# Altium PCB Evaluation Board.PcbDoc (part 9 of 22)
Units mm, origin at the board's own origin, x right, y up, seen from the top; angles counter-clockwise.
Board outline 200 x 200 mm, 4 copper layers (Top Layer, GND, Power, Bottom Layer), stack 1.56 mm thick; 639 components, 758 nets, 3043 pads, 1306 vias.
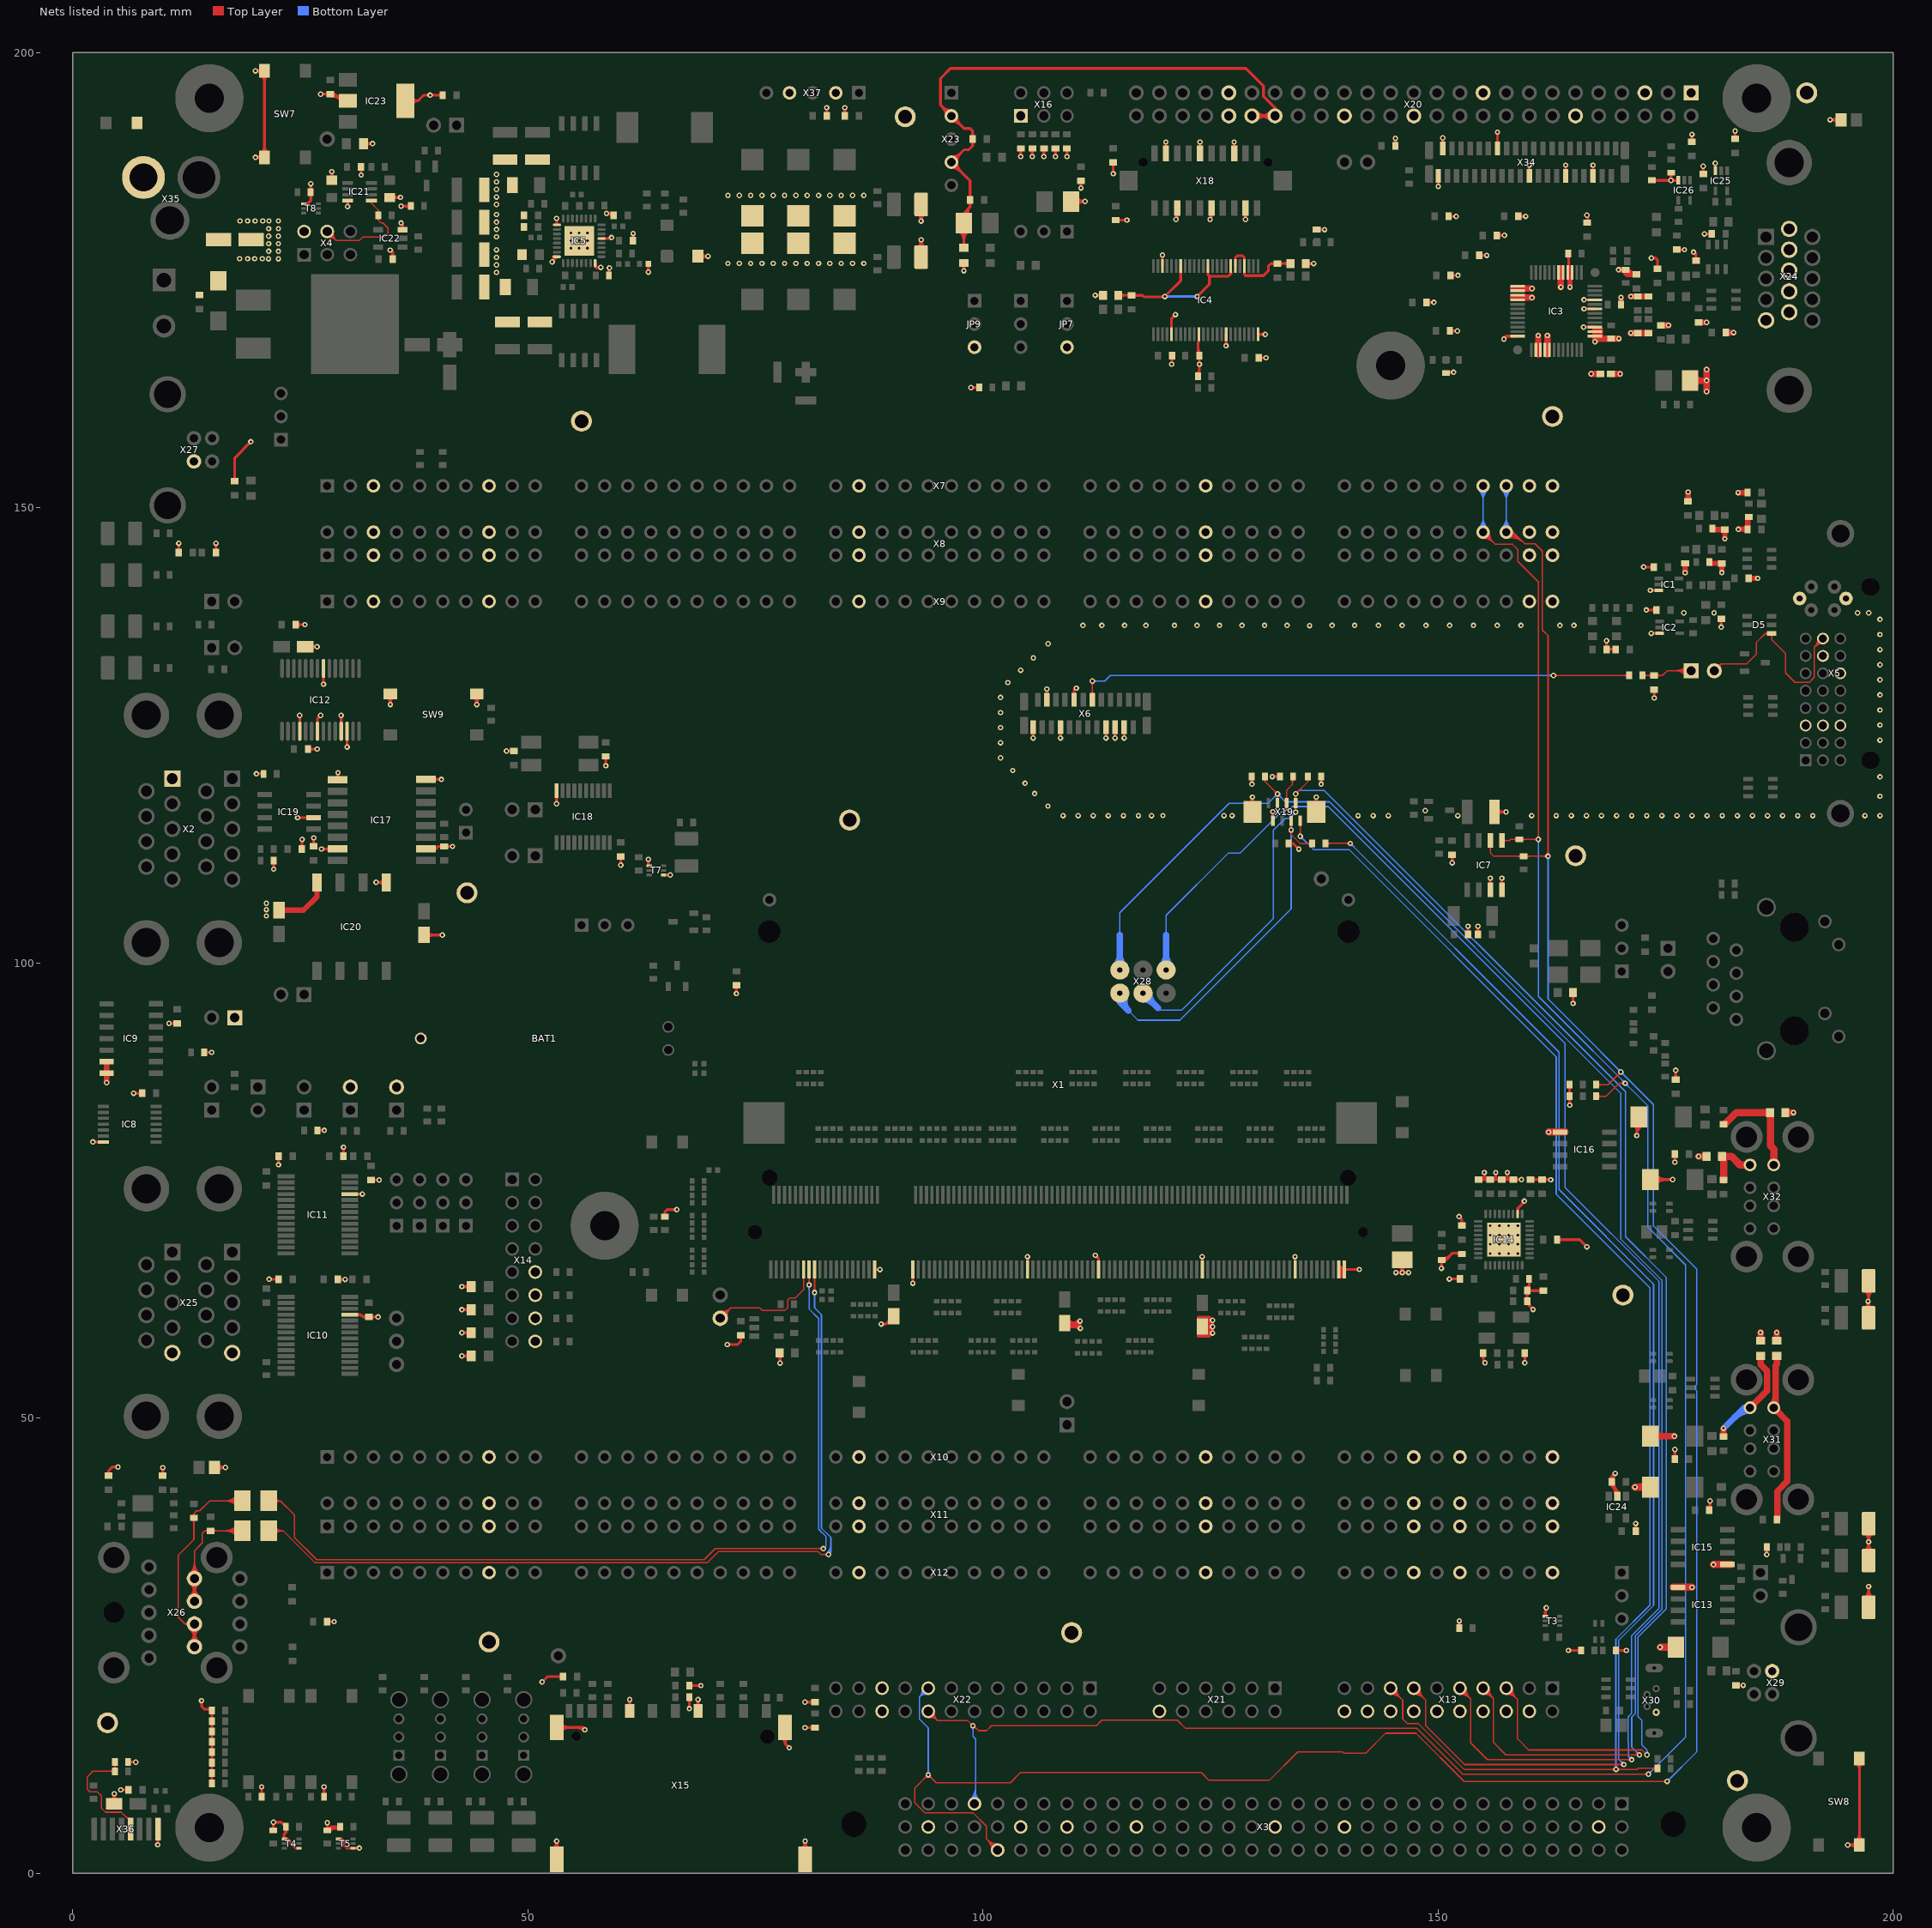
[diagram p11: the nets of this part, all layers, seen from the top]

## Via types
v1: diameter 0.6, hole 0.3, Top Layer to Bottom Layer, 1222 vias
v2: diameter 0.6, hole 0.3, Top Layer to Bottom Layer, tented both sides, 84 vias

## Nets (pads, with @x,y where several pads share a name; then routed paths per layer and width w, separated by ;. In a path a pad name is that pad's centre, name@x,y a point inside that pad or via, vN(x,y) a via of type N, cw(c..) or ccw(c..) an arc to the next point about the centre after c; other vN are vias at no path point) (continued)
GND: (continued)
  Top Layer w0.3: v1(176,46.55) 176.009,46.541 C117.1@176.009,45.466 ; v1(176,78.1) 176.009,78.109 C124.1@176.009,78.994 ; 176.009,46.21 cw(c176.34,46.21) v1@176.106,46.444 ; C128.1@176.098,87.186 v1@176.098,88.2 ; 176.098,87.844 cw(c176.455,87.844) v1@176.203,88.096 ; 176.183,185.95 ccw(c176.183,186.19) IC26.3@176.353,186.02 ; C182.2@176.225,178.35 v1(177.059,178.35) ; IC26.3@176.375,185.95 v1(175.575,185.95) ; C182.2@176.441,178.209 cw(c176.783,177.867) 176.783,178.35 cw(c176.783,178.833) C182.2@176.441,178.491 ; C41.1@177.742,190.325 ccw(c177.4,190.667) 177.883,190.667 ccw(c178.366,190.667) C41.1@178.024,190.325 ; C41.1@177.883,190.184 v1@177.883,191.011 ; v1@178.05,177.925 cw(c178.05,177.563) 178.306,177.819 cw(c178.562,178.075) v1@178.2,178.075 ; v1(178.05,178.075) 178.316,177.809 C189.2@178.316,177.126 ; v1@178.155,178.183 cw(c177.782,177.8) 178.316,177.8 ; C189.2@178.175,177.267 ccw(c177.833,177.609) 178.316,177.609 ccw(c178.799,177.609) C189.2@178.457,177.267 ; C183.1@178.979,186.815 ccw(c178.637,187.157) 179.12,187.157 ccw(c179.603,187.157) C183.1@179.261,186.815 ; C183.1@179.12,186.674 v1(179.12,187.508) ; v1(179.25,180.075) 179.261,180.086 C180.2@180.039,180.086 ; C121.1@179.627,40.11 ccw(c178.988,40.749) v1@179.891,40.749 ; v1@179.769,40.794 cw(c179.474,40.499) 179.891,40.499 ; v1(179.875,40.9) 179.891,40.884 C121.1@179.891,39.894 ; 179.891,40.577 cw(c180.198,40.577) v1@179.981,40.794 ; C180.2@179.898,179.945 ccw(c179.556,179.603) 179.556,180.086 ccw(c179.556,180.569) C180.2@179.898,180.227 ; IC25.3@180.452,187.001 v1(180.452,187.835) ; C14.2@180.959,137.64 cw(c180.617,137.299) 181.1,137.299 cw(c181.583,137.299) C14.2@181.241,137.64 ; v1@180.994,136.989 ccw(c180.738,137.245) 181.1,137.245 ccw(c181.462,137.245) v1@181.206,136.989 ; v1(181.1,136.883) C14.2@181.1,137.7 ; C181.1@182.485,190.683 ccw(c182.143,191.025) 182.626,191.025 ccw(c183.109,191.025) C181.1@182.767,190.683 ; C181.1@182.626,190.542 v1(182.626,191.376) ; C116.1@182.702,20.644 v1@183.518,20.644 ; C116.1@182.919,20.503 cw(c183.26,20.161) 183.26,20.644 cw(c183.26,21.127) C116.1@182.919,20.785 ; R74.1@185.975,35.595 cw(c185.676,35.296) 186.099,35.296 cw(c186.521,35.296) R74.1@186.223,35.595 ; v1(186.1,35.002) 186.099,35.003 R74.1@186.099,35.819 ; v1(193.074,192.617) L22.1@194.265,192.615 ; v1@193.18,192.511 cw(c193.431,192.26) 193.431,192.615 ; v1@193.18,192.723 ccw(c193.441,192.984) 193.441,192.615 ; L22.1@193.947,192.297 ccw(c193.179,191.528) 193.179,192.615 ccw(c193.179,193.701) L22.1@193.947,192.933 ; v1(194.992,3.095) SW8.1@196.283,3.095 SW8.2@196.283,12.595 ; v1@195.098,2.989 cw(c195.354,2.733) 195.354,3.095 cw(c195.354,3.457) v1@195.098,3.201 ; SW8.1@195.965,2.777 ccw(c195.197,2.009) 195.197,3.095 ccw(c195.197,4.181) SW8.1@195.965,3.413 ; SW8.1@195.965,3.563 ccw(c195.197,4.331) 196.283,4.331 ccw(c197.369,4.331) SW8.1@196.601,3.563 ; SW8.2@195.965,12.127 cw(c195.197,11.359) 196.283,11.359 cw(c197.369,11.359) SW8.2@196.601,12.127 ; LED15.K@196.87,30.184 ccw(c195.845,31.209) 197.294,31.209 ccw(c198.743,31.209) LED15.K@197.718,30.184 ; LED7.K@196.87,35.33 ccw(c195.845,36.354) 197.294,36.354 ccw(c198.743,36.354) LED7.K@197.718,35.33 ; LED8.K@196.87,37.422 cw(c195.845,36.397) 197.294,36.397 cw(c198.743,36.398) LED8.K@197.718,37.422 ; LED10.K@196.87,64.092 cw(c195.845,63.067) 197.294,63.067 cw(c198.743,63.067) LED10.K@197.718,64.092 ; LED9.K@196.876,61.982 ccw(c196.058,62.823) v1(197.231,62.823) ; v1@197.125,62.717 cw(c196.868,62.46) 197.231,62.46 cw(c197.593,62.46) v1@197.337,62.717 ; v1@197.188,31.386 cw(c196.932,31.129) 197.294,31.129 cw(c197.656,31.129) v1@197.4,31.386 ; v1@197.188,36.281 cw(c196.932,36.025) 197.294,36.025 cw(c197.656,36.025) v1@197.4,36.281 ; v1@197.188,36.493 ccw(c196.932,36.749) 197.294,36.749 ccw(c197.656,36.749) v1@197.4,36.493 ; LED9.K@197.231,61.002 v1(197.231,62.823) ; LED15.K@197.294,29.21 v1(197.294,31.492) ; LED7.K@197.294,34.23 LED8.K@197.294,38.396 ; LED10.K@197.294,65.066 197.294,62.886 v1(197.231,62.823) ; LED9.K@197.637,62.044 cw(c198.179,62.823) v1(197.231,62.823) ; v1@20.052,188.496 SW7.2@21.049,188.496 SW7.1@21.049,197.996 v1@20.052,197.996 ; 110.422,60.422 cw(c110.614,60.23) v1@110.637,60.501 ; 110.422,60.422 C80.2@108.966,60.422 109.363,60.025 110.525,60.025 v1(110.7,59.85) 110.637,59.913 v1@110.637,60.501 ; 123.61,168.109 123.61,166.876 C53.1@123.76,166.726 v1@123.76,165.749 ; 123.639,164.905 123.76,165.026 v1@123.76,165.749 ; 124.869,60.034 v1(125.216,60.034) ; 139.375,66.316 139.375,66.61 X1.197@139.082,66.316 139.375,66.316 ; 156.333,76.201 157.608,76.201 ; C143.1@159.78,63.996 159.78,64.38 160.018,64.618 ; 169.095,42.555 169.695,41.955
  Top Layer w0.6: v1(3.705,86.84) IC9.7@3.705,87.869 IC9.6@3.705,89.139 ; v2(164.48,174.236) 164.48,176.317 ; v1@167.231,168.239 IC3.25@167.231,168.842 IC3.26@167.231,169.342 ; 167.231,169.687 IC3.26@167.231,169.342 ; IC3.25@167.362,168.768 ccw(c166.946,169.004) IC3.26@167.284,169.342 ; 167.385,168.529 168.148,168.529 cw(c168.148,168.978) IC3.25@167.748,168.774 ; IC3.25@167.775,168.736 ccw(c168.276,169.236) 168.276,168.529 ; 167.792,169.595 IC3.26@167.792,169.215 ; 168.045,168.581 167.792,168.834 IC3.26@167.792,169.215 ; v1@169.818,176.142 R6.1@170.597,176.142 ; R7.1@170.092,172.329 v1@170.092,173.108 ; R6.1@170.614,176.142 170.614,175.774 170.746,175.642 cw(c171.005,175.901) R6.1@170.716,176.127 ; R6.1@170.716,176.158 ccw(c171.775,176.987) 171.775,175.642 170.749,175.642 ; v1(177.136,142.861) C18.2@177.136,143.874 ; C20.2@177.461,150.706 v1(177.461,151.72) ; C187.2@178.666,170.36 v1(179.5,170.36) ; R9.2@179.817,143.897 C19.2@180.825,143.897 ; R10.2@180.142,147.6 C21.2@181.15,147.6 ; v1(181.166,142.868) C19.2@181.166,143.882 ; v1(181.491,146.577) C21.2@181.491,147.585 ; C185.2@181.634,169.233 v1@182.461,169.233 ; v1(182.957,151.664) C22.2@183.97,151.664 ; v1(182.983,147.631) C23.2@183.997,147.631 ; C23.2@184.006,147.975 R13.2@184.006,148.983 ; C12.2@184.097,142.24 v1(185.111,142.24) ; IC3.26@167.231,169.342 IC3.26@167.284,169.342 ; IC3.26@167.284,169.342 167.411,169.215 IC3.26@167.792,169.215
  Top Layer w0.7: 158.232,173.081 v2(160.312,173.081) ; 158.232,174.081 v2(160.312,174.081) ; 160.992,166.842 v2(160.992,168.923) ; 161.992,166.842 v2(161.992,168.923) ; v2(163.48,174.236) 163.48,176.317 ; v1(166.811,164.709) C30.1@167.825,164.709 ; 168.045,168.581 v1(169.85,168.581) ; C31.1@168.983,164.709 v1(169.997,164.709) ; v1@171.17,169.194 C26.1@171.949,169.194 C27.1@173.093,169.194 ; v1@171.17,173.21 C29.1@171.949,173.21 C28.1@173.093,173.21 ; C118.2@173.318,48.006 175.944,48.006 v1(175.95,48) ; C118.2@173.707,47.617 cw(c174.646,46.678) 174.646,48.006 cw(c174.646,49.334) C118.2@173.707,48.395 ; C184.2@174.475,170.043 v1@175.302,170.043 ; C25.2@177.675,163.955 v1@179.486,163.955 ; C25.2@178.064,163.566 cw(c179.003,162.627) 179.003,163.955 cw(c179.003,165.283) C25.2@178.064,164.344 ; v1(178.613,78.74) L38.1@179.54,78.74 ; v1@179.484,162.778 179.486,162.781 v1(179.486,165.182) ; L31.1@185.42,58.471 v1(185.42,59.398) ; L36.1@187.198,58.471 v1(187.198,59.398) ; L43.1@188.11,83.557 v1(189.037,83.557) ; IC3.25@167.74,168.701 ccw(c168.029,168.99) 168.029,168.581 cw(c168.029,168.99) IC3.25@167.74,168.701
  Top Layer w0.8: v1(162.138,81.407) IC16.1@163.95,81.407 ; v1(171.625,42.418) C122.2@173.318,42.418 ; C122.2@172.964,42.064 ccw(c172.111,41.211) 172.111,42.418 ccw(c172.111,43.625) C122.2@172.964,42.772 ; v1(174.388,24.818) C115.2@176.457,24.818 ; C115.2@175.758,24.465 ccw(c174.905,23.611) 174.905,24.818 ccw(c174.905,26.025) C115.2@175.758,25.172 ; IC13.1@175.825,31.399 v1(177.894,31.399) ; v1(180.246,33.909) IC15.1@182.2,33.909
  other v1: 4.55,8.725 6.9,12.195 67.727,18.07 61.175,19.075 68.675,19.075 68.993,20.608 183.519,20.645 197.294,36.387 155.707,68.075 156.721,68.075 157.734,68.075 158.747,68.075 155.707,69.088 156.721,69.088 157.734,69.088 158.747,69.088 155.707,70.101 156.721,70.101 157.734,70.101 158.747,70.101 155.707,71.115 156.721,71.115 157.734,71.115 158.747,71.115 33.65,76.15 155.067,76.975 176.097,88.202 108.783,116.175 110.441,116.175 112.099,116.175 113.757,116.175 115.415,116.175 117.073,116.175 118.502,116.175 119.761,116.18 126.467,116.175 127.356,116.175 141.2,116.175 142.858,116.175 144.516,116.175 152.15,116.175 160.275,116.175 162.975,116.175 164.633,116.175 166.291,116.175 167.949,116.175 169.607,116.175 171.265,116.175 172.923,116.175 174.581,116.175 176.239,116.175 177.897,116.175 179.555,116.175 181.213,116.175 182.871,116.175 184.529,116.175 186.187,116.175 187.845,116.175 189.503,116.175 191.161,116.175 196.9,116.175 198.544,116.175 148.575,116.725 107.125,117.225 198.544,118.307 105.667,118.6 129.533,119.63 137.15,119.63 104.617,119.725 198.544,120.439 131.773,120.461 103.266,121.125 101.915,122.525 101.915,124.183 198.544,124.465 101.915,125.841 198.544,126.123 101.915,127.499 198.544,127.781 101.915,129.157 198.544,129.439 102.725,130.797 198.544,131.097 104.125,132.148 198.544,132.755 105.525,133.499 198.544,134.413 26.829,134.725 107.15,135.05 198.544,136.071 135.875,137.05 110.972,137.075 113.05,137.075 115.55,137.075 117.886,137.075 121.026,137.075 123.501,137.075 125.976,137.075 128.451,137.075 130.925,137.075 133.4,137.075 138.35,137.075 140.825,137.075 143.435,137.075 146.046,137.075 148.656,137.075 151.266,137.075 153.877,137.075 156.487,137.075 159.097,137.075 163.371,137.075 164.917,137.075 198.544,137.729 177.001,138.45 180.317,138.45 196.084,138.45 197.314,138.45 179.486,162.778 179.486,163.98 123.774,165.76 167.223,168.239 171.17,169.19 182.464,169.236 175.305,170.046 170.088,173.108 171.17,173.206 46.533,175.844 169.818,176.138 46.533,176.673 71.971,176.844 73.215,176.844 74.458,176.844 75.702,176.844 76.945,176.844 78.189,176.844 79.432,176.844 80.676,176.844 81.919,176.844 83.163,176.844 84.406,176.844 85.65,176.844 86.893,176.844 18.313,177.352 19.193,177.352 19.971,177.352 20.8,177.352 21.488,177.343 22.581,177.343 46.533,177.502 21.5,178.172 22.581,178.172 46.533,178.331 54.708,178.513 55.626,178.513 56.536,178.513 21.5,179.001 22.581,179.001 54.708,179.342 55.622,179.342 56.536,179.342 46.533,179.76 21.5,179.83 22.581,179.83 54.708,180.171 55.626,180.171 56.536,180.171 46.533,180.569 21.5,180.659 22.581,180.659 46.533,181.377 18.364,181.508 19.193,181.508 20.022,181.508 20.851,181.508 21.539,181.499 22.581,181.499 151.984,181.991 159.616,182.01 46.533,182.206 46.533,183.312 46.533,184.134 71.971,184.302 73.215,184.302 74.458,184.302 75.702,184.302 76.945,184.302 78.189,184.302 79.432,184.302 80.676,184.302 81.919,184.302 83.163,184.302 84.406,184.302 85.65,184.302 86.893,184.302 46.533,184.963 150.016,185.29 46.533,185.792 46.533,186.621 150.516,190.63 177.88,191.014 156.515,191.262
  other v2: 124.075,67.725 134.275,67.725 24.914,127.195 29.464,127.195 27.536,130.598 160.016,187.63 164.016,187.63 167.016,187.63
GND_DISPINV: C152.2 C153.1 C176.1 L45.2 X20.38 X20.40 X23.2 X23.4 | length 96.2
  Top Layer w0.3: X23.2@95.92,193.04 ccw(c94.471,193.04) 95.496,194.064 ccw(c96.52,195.089) X23.2@96.52,193.64 ; X23.4@96.52,187.36 cw(c96.52,185.911) 97.544,186.936 cw(c98.569,187.96) 97.12,187.96 cw(c98.472,187.96) 97.516,188.916 ; X23.4@96.52,188.26 ccw(c96.52,189.081) 97.1,188.5 ; X23.4@96.52,188.56 ccw(c96.52,190.105) 97.613,189.013 ; X23.2@96.52,192.44 cw(c96.52,190.991) 97.544,192.016 cw(c98.569,193.04) X23.2@97.12,193.04 ; C152.2@97.359,180.524 cw(c96.079,179.244) 97.889,179.244 cw(c99.7,179.244) C152.2@98.42,180.524 ; C152.2@97.571,180.737 cw(c96.803,179.968) 97.889,179.968 cw(c98.976,179.968) C152.2@98.208,180.737 ; L45.2@97.688,178.765 ccw(c97.201,179.252) 97.889,179.252 ccw(c98.578,179.252) L45.2@98.091,178.765 ; L45.2@97.889,178.524 97.889,182.344 98.564,183.019 ; C152.2@98.009,181.595 cw(c98.581,182.025) 98.076,182.531 ; C152.2@98.249,181.775 cw(c98.861,182.234) 98.32,182.775 ; C153.1@98.423,183.603 cw(c98.082,183.262) 98.564,183.262 cw(c99.047,183.262) C153.1@98.706,183.603 ; C153.1@98.423,184.036 ccw(c98.082,184.378) 98.564,184.378 ccw(c99.047,184.378) C153.1@98.706,184.036 ; C152.2@98.489,181.955 cw(c99.14,182.444) 98.564,183.019 ; C176.1@98.709,190.284 cw(c98.367,189.942) 98.85,189.942 cw(c99.333,189.942) C176.1@98.991,190.284 ; C176.1@98.709,190.716 ccw(c98.367,191.058) 98.85,191.058 ccw(c99.333,191.058) C176.1@98.991,190.716 ; X20.40@129.54,193.04 X20.38@132.08,193.04 132.08,193.929 ; X20.40@129.805,192.775 cw(c130.445,192.135) 130.445,193.04 cw(c130.445,193.945) X20.40@129.805,193.305 ; X20.40@130.017,192.563 cw(c131.17,191.41) 131.17,193.04 cw(c131.17,194.67) X20.40@130.017,193.517 ; X20.38@131.603,192.563 ccw(c130.45,191.41) 130.45,193.04 ccw(c130.45,194.67) X20.38@131.603,193.517 ; X20.38@131.815,192.775 ccw(c131.175,192.135) 131.175,193.04 ccw(c131.175,193.945) X20.38@131.815,193.305 ; X20.38@131.899,193.69 ccw(c131.832,193.929) 132.08,193.929 ; X20.38@132.261,193.69 cw(c132.328,193.929) 132.08,193.929 ; 98.564,183.019 C153.1@98.564,183.82 98.564,185.916 96.54,187.94 97.925,189.325 98.425,189.325 98.85,189.75 C176.1@98.85,190.5 98.85,191.375 98.568,191.657 97.903,191.657 X23.2@96.52,193.04 95.32,194.24 95.32,197.152 96.421,198.253 128.877,198.253 130.81,196.32 130.81,195.199 132.08,193.929
GND_IN: C58.1 D7.2 L19.1 R184.2 X35.2
GND_ISO: C158.1 C161.1 C165.2 IC17.9 IC17.15 IC19.2 IC20.7 JP26.1 R107.1 R109.2 | length 23.3
  Top Layer w0.3: v1(20.157,120.765) 20.167,120.775 R109.2@20.95,120.775 ; R109.2@20.826,120.651 ccw(c20.528,120.353) 20.528,120.775 ccw(c20.528,121.197) R109.2@20.826,120.899 ; R107.1@21.943,111.011 cw(c21.645,110.712) 22.067,110.712 cw(c22.49,110.712) R107.1@22.191,111.011 ; v1@22.067,110.304 R107.1@22.067,111.235 ; 22.067,110.635 ccw(c22.398,110.635) v1@22.164,110.401 ; v1(24.683,115.951) IC19.2@26.447,115.951 ; v1@24.789,115.845 cw(c25.045,115.589) 25.045,115.951 cw(c25.045,116.313) v1@24.789,116.057 ; C158.1@24.999,112.726 ccw(c24.598,113.128) 25.166,113.128 ; v1@25.069,113.459 cw(c24.834,113.225) 25.166,113.225 ; C158.1@25.166,112.625 v1@25.166,113.556 ; 25.166,113.007 ccw(c25.563,113.007) C158.1@25.282,112.726 ; 25.166,113.181 cw(c25.559,113.181) v1@25.281,113.459 ; IC19.2@25.841,115.845 ccw(c25.585,115.589) 25.585,115.951 ccw(c25.585,116.313) IC19.2@25.841,116.057 ; C161.1@26.309,112.941 ccw(c25.967,113.283) 26.45,113.283 ccw(c26.933,113.283) C161.1@26.591,112.941 ; v1@26.353,113.623 cw(c26.119,113.389) 26.45,113.389 ; C161.1@26.45,112.789 26.45,113.72 v1(26.459,113.729) ; 26.45,113.345 cw(c26.843,113.345) v1@26.565,113.623 ; v1(27.319,112.512) IC17.15@29.083,112.512 ; v1@27.425,112.406 cw(c27.681,112.15) 27.681,112.512 cw(c27.681,112.874) v1@27.425,112.618 ; IC17.15@28.206,112.335 ccw(c27.779,111.908) 27.779,112.512 ccw(c27.779,113.116) IC17.15@28.206,112.689 ; IC17.9@28.906,120.309 ccw(c28.377,120.837) v1@29.125,120.837 ; IC17.9@29.083,120.132 29.125,120.174 v1(29.125,120.9) ; v1@29.125,120.634 ccw(c29.584,120.634) IC17.9@29.26,120.309
  Top Layer w0.6: C165.2@22.635,105.789 25.339,105.789 26.814,107.264 IC20.7@26.814,108.823 ; C165.2@22.865,105.559 cw(c23.42,105.005) 23.42,105.789 cw(c23.42,106.574) C165.2@22.865,106.019
  other v1: 21.25,105.15 21.25,105.85 21.25,106.55 22.058,110.295 25.175,113.565
GND_LVDS: C55.1 IC4.31 IC4.36 IC4.42 L15.1 | length 26.1
  Top Layer w0.3: L15.1@114.821,173.343 C55.1@116.332,173.343 ; L15.1@115.062,173.141 cw(c115.549,172.655) 115.549,173.343 cw(c115.549,174.031) L15.1@115.062,173.544 ; C55.1@116.116,173.201 ccw(c115.774,172.86) 115.774,173.343 ccw(c115.774,173.825) C55.1@116.116,173.484 ; C55.1@116.357,173.304 116.383,173.33 117.5,173.33 117.669,173.161 119.933,173.161 121.71,174.938 IC4.42@121.71,176.546 ; C55.1@116.548,173.201 cw(c116.858,172.891) 116.858,173.33 ; C55.1@116.548,173.484 ccw(c116.921,173.857) 116.921,173.33 ; 119.503,173.161 ccw(c119.503,173.664) v2@119.858,173.309 ; v2@119.964,173.353 ccw(c119.964,173.74) 120.238,173.466 ; v2@120.114,173.203 cw(c120.451,173.203) 120.213,173.441 ; v2(123.52,173.203) 124.866,174.549 124.866,175.438 ; v2@123.52,173.353 ccw(c123.52,173.715) 123.776,173.459 ccw(c124.032,173.203) v2@123.67,173.203 ; IC4.36@124.71,176.546 124.71,175.594 124.866,175.438 ; 127.035,175.524 ccw(c126.612,175.946) 127.21,175.946 cw(c127.072,175.823) 127.203,175.692 ; IC4.31@127.21,176.546 127.203,176.539 127.203,175.692 ; 124.866,175.438 126.949,175.438 127.203,175.692
  Bottom Layer w0.3: v2(119.964,173.203) v2(123.52,173.203) ; v2@120.07,173.097 cw(c120.326,172.84) 120.326,173.203 cw(c120.326,173.565) v2@120.07,173.309 ; v2@123.414,173.097 ccw(c123.158,172.84) 123.158,173.203 ccw(c123.158,173.565) v2@123.414,173.309
GND_PLL: C56.1 IC4.28 IC4.30 L14.1 | length 12.6
  Top Layer w0.3: IC4.30@127.71,176.546 127.71,177.462 127.921,177.673 128.499,177.673 128.71,177.462 IC4.28@128.71,176.546 128.71,175.607 ; 128.778,175.539 128.71,175.607 ; C56.1@132.118,176.687 ccw(c131.776,176.346) 131.776,176.829 ccw(c131.776,177.311) C56.1@132.118,176.97 ; C56.1@132.55,176.687 cw(c132.892,176.346) 132.892,176.829 cw(c132.892,177.311) C56.1@132.55,176.97 ; L14.1@133.578,176.627 ccw(c133.092,176.141) 133.092,176.829 ccw(c133.092,177.517) L14.1@133.578,177.03 ; L14.1@133.82,176.829 C56.1@132.334,176.829 131.642,176.829 131.343,176.53 131.343,176.022 130.818,175.496 128.821,175.496 128.71,175.607
GND_USB1: C119.1 L31.2 X31.U4 | length 14.8
  Top Layer w0.7: C119.1@181.356,47.956 v1(181.356,48.87) ; X31.U4@184.27,51.136 186.14,53.006 186.14,55.16 185.42,55.88 L31.2@185.42,56.858 ; X31.U4@184.27,51.486 ccw(c184.27,52.331) 184.868,51.734 ccw(c185.465,51.136) X31.U4@184.62,51.136
  Bottom Layer w0.7: v1(181.356,48.87) 183.622,51.136 X31.U4@184.27,51.136 ; 182.567,50.08 cw(c184.27,48.377) X31.U4@184.27,50.786
GND_USB2: C123.1 L36.2 X31.L4 | length 21.6
  Top Layer w0.5: C123.1@187.211,38.862 C123.1@187.249,38.9
  Top Layer w0.7: X31.L4@186.623,51.383 ccw(c185.531,52.475) 187.075,52.475 ; X31.L4@186.87,50.786 cw(c186.87,49.941) 187.468,50.539 cw(c188.065,51.136) X31.L4@187.22,51.136 ; L36.2@187.198,56.858 187.223,56.833 187.223,55.931 187.075,55.782 187.075,50.931 188.366,49.64 188.366,43.044 187.249,41.927 C123.1@187.249,38.9
GND_USB3: C126.1 L38.2 X32.U4 | length 7.4
  Top Layer w0.8: L38.2@181.14,78.74 182.235,78.74 183.175,77.8 184.264,77.8 X32.U4@184.27,77.806 ; L38.2@181.155,78.65 cw(c180.671,78.166) 181.356,78.166 ; C126.1@181.356,76.15 L38.2@181.356,78.346 ; 183.532,77.8 ccw(c183.532,78.544) X32.U4@184.058,78.018 ; 183.56,77.8 cw(c183.56,77.096) X32.U4@184.058,77.594
GND_USB4: C130.1 L43.2 X32.L4 | length 12.7
  Top Layer w0.15: C130.1@181.356,82.283 C130.1@181.508,82.283
  Top Layer w0.8: C130.1@181.508,82.283 182.782,83.557 186.51,83.557 186.51,79.915 186.87,79.555 X32.L4@186.87,77.806 ; X32.L4@186.658,78.018 ccw(c186.146,78.53) 186.87,78.53 ccw(c187.594,78.53) X32.L4@187.082,78.018
HADPHONE_GND: TP2.1 X1.13 | length 19.4
  Top Layer w0.15: TP2.1@71.12,60.96 72.26,62.1 ; TP2.1@71.173,61.432 ccw(c71.26,62.217) 71.819,61.659 ccw(c72.377,61.1) TP2.1@71.592,61.013 ; TP2.1@71.189,61.581 ccw(c71.304,62.615) 72.039,61.879 ccw(c72.775,61.144) TP2.1@71.741,61.029 ; TP2.1@71.206,61.73 ccw(c71.348,63.012) 72.26,62.1 ; TP2.1@71.89,61.046 cw(c73.172,61.188) 72.26,62.1 ; X1.13@80.211,65.421 cw(c80.041,65.25) 80.282,65.25 cw(c80.523,65.25) X1.13@80.353,65.421 ; X1.13@80.282,66.316 80.282,64.102 79.35,63.17 78.74,63.17 78.537,62.967 78.537,62.128 78.242,61.834 75.715,61.834 75.449,62.1 72.26,62.1